# KiCad board motorgo_core_panel2.kicad_pcb (continued)
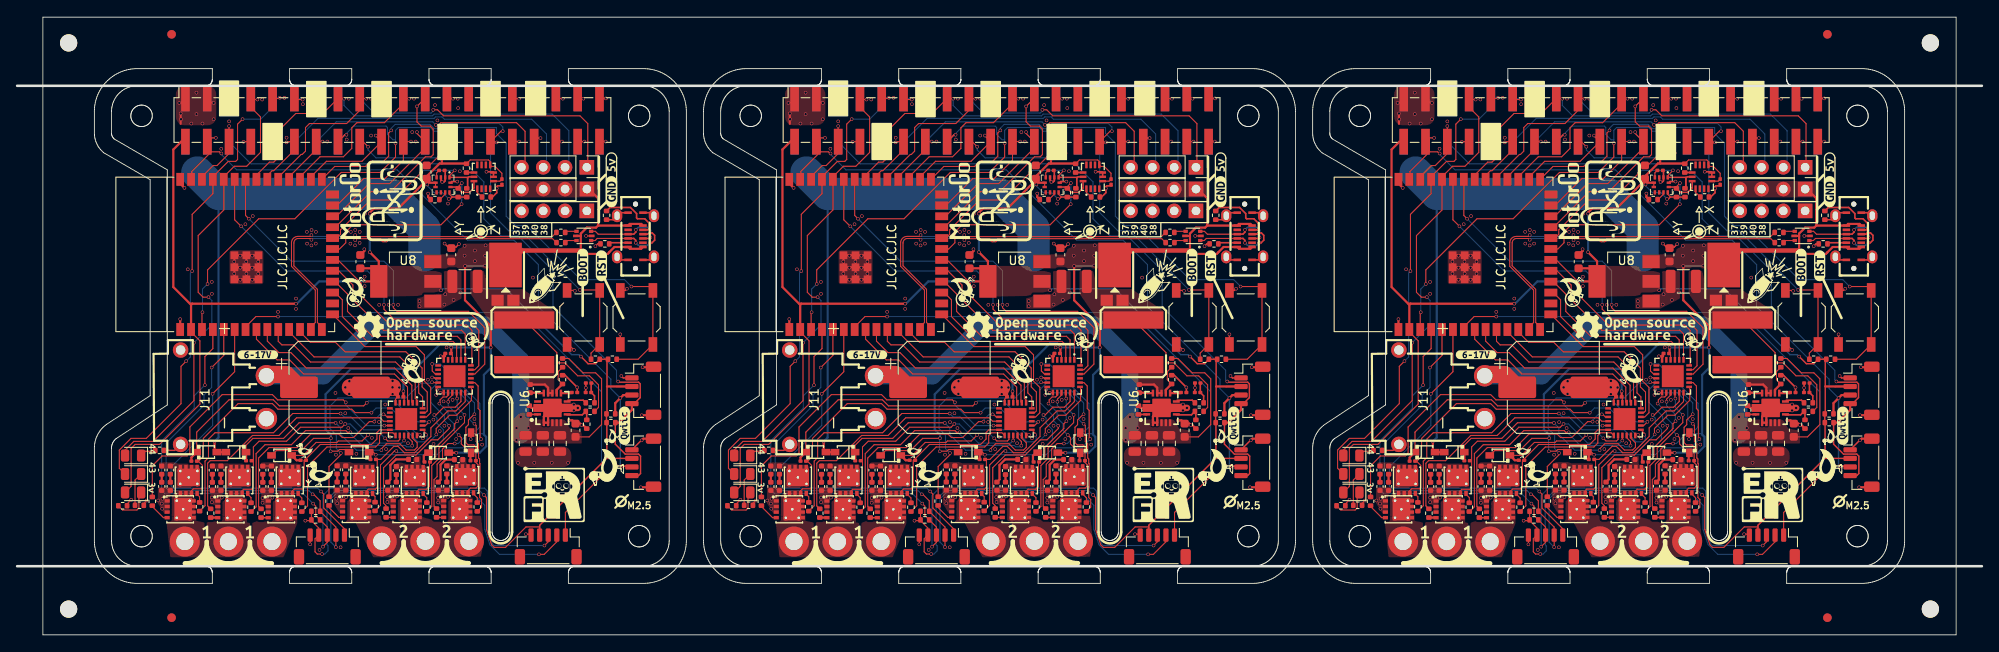
[diagram p0: board, top side]
## Routing (per net, layer and track width the routed paths; a pad name or vN(x,y) marks a point on that pad's centre or on a via; arc(x,y) is an arc through that point) (continued)
Board_1-/i2c_1.scl: length 23.6
  Top w0.12: v1(122,54.14) 121.39,53.53 U10#2.1 ; 108.25,46.25 108.69,46.69 108.69,47.21 112.18,50.7 114.9,50.7 v1(118.03,53.83)
  Top w0.16: U10#2.1 123.5,53.32 123.5,52.15 123.5,53.24 123.65,53.39 U11#3.13
  Bottom w0.12: v1(122,54.14) 118.34,54.14 v1(118.03,53.83)
Board_1-/i2c_1.sda: length 24.8
  Top w0.12: v1(122.8,50.2) 120.4,47.8 110.14,47.8 109.3,46.96 109.3,45.7 108.58,44.98 U1#2.21 ; v1(122.82,52.66) 122.4,52.24
  Top w0.16: R38#3.2 122.87,51.58 123.73,51.58 124.24,52.09 U11#3.14 ; U10#2.11 122.25,52.2
  Bottom w0.12: v1(122.82,52.66) 122.82,50.68 122.8,50.66 v1(122.8,50.2)
Board_1-boot: length 62.9
  Top w0.12: R8#2.2 137.89,32.84 J2#3.2 J2#3.2 ; J4#3.30 127.39,58.7 v1(127.6,58.7) ; v1(114.6,58.8) 114.3,58.5 114.3,55.79 113.71,55.2 112.2,55.2 111.6,54.6 108.02,54.6 U1#2.27 ; v1(136.6,40.2) 138.85,40.2
  Top w0.18: v1(126.9,57.4) 126.26,57.4
  Bottom w0.12: v1(127.6,58.7) 127.6,59.2 127.2,59.6 120.61,59.6 120.01,59 119.63,59 119.13,59.5 115.05,59.5 114.6,59.05 v1(114.6,58.8) ; J7#3.29 126.18,49.22 128.3,47.1 129.7,47.1 v1(136.6,40.2)
  Bottom w0.18: v1(126.9,57.4) 126.25,57.4
Board_1-GND: length 103.9
  Top w0.12: v1(114.2,62.5) 114.17,62.53 J4#3.19 ; U2#3.2 137.31,46.5 v1(137.31,46.5) ; J4#3.5 96.47,62.53 v1(96.5,62.5) ; v1(84.3,15.75) 83.81,15.26 R3#3.2 ; v1(136,40.1) 135.95,40.15 J2#3.1 ; C33#3.2 120.72,32.62 U4#3.6 ; R2.2 85.76,15.31 v1(86.1,15.65) ; v1(127,62.4) 126.3,62.4 ; C32.2 119.05,54.72 120.33,55.99 120.58,55.99 121.09,56.51 J4#3.26 ; v1(130.29,11.73) 130.79,11.73 J18#3.5 ; J4#3.33 131.97,62.53 v1(132,62.5) ; 135.25,33.85 v1(135.9,33.2) ; v1(106.6,62.5) 106.57,62.53 J4#3.13 ; C3#3.2 115.1,27.47 U3#3.6 ; J4#3.40 139.59,57.49 v1(139.6,57.5) ; v1(101,59.2) 101,57.71 ; J16#3.5 v1(105.15,10.55)
  Top w0.16: v1(141.43,30.17) 141.65,29.95 J13.1 ; v1(122.2,56.15) 121.09,56.15 ; v1(138.4,45.3) 138.68,45.58 R4#2.1 ; J15.1 143.75,22.67 v1(143.79,22.67) ; J3.2 141.88,40.15 v1(142.07,40.35) ; v1(122.5,45.55) 122.15,45.2 121.82,45.2 ; J1#2.3 140.46,48.39 R5#3.1 ; v1(120.82,45.61) 121.23,45.2 121.38,45.2 ; J3.2 v1(141.3,35.02) ; R1#3.2 89.35,21.5 J11.3
  Top w0.18: v1(122.3,52.84) 121.65,52.84 U10#2.12 ; J1#2.B1 144.88,49.21 ; 137.26,28.25 137.26,28.78 v1(137.28,28.8) C1#3.2 ; R49#3.2 126.4,51.04 126.9,51.54 v1(126.9,52.04) 126.9,52.24 127,52.34 127.63,52.34 ; 120.41,53.31 120.41,52.93 v1(120.55,52.79) 120.75,52.79 120.89,52.93 U10#2.2 120.89,54.05 ; R17#3.2 134.87,30.26 v1(136.28,28.85) C18.2 ; v1(125.7,53.98) 126.43,53.98 U11#3.7 U11#3.6 ; J1#2.A1 141.28,43.71 ; J1#2.B12 144.88,43.71 ; J1#2.A12 141.28,49.21
  Top w0.25: U6#3.15 130.96,26.45 R18#2.2 ; U6#3.15 132.88,25.95 132.88,24.72 132.38,24.72 132.38,25.45 132.59,25.65 ; U6#3.15 132.6,25.67 ; U1#2.41 U1#2.41 U1#2.41 U1#2.41 ; U1#2.41 U1#2.41 U1#2.41 ; U1#2.41 U1#2.41 U1#2.41 ; v1(135.3,25) 135.71,25 C17#3.2 136.61,24.62 v1(136.78,24.45) 136.97,24.45 R25#3.2 ; v1(111.46,44.95) 111.46,44.74 C25#3.2 ; U1#2.41 U1#2.41 ; 145.18,31.25 145.12,31.2 v1(143.9,31.2) ; 90,52.6 v1(90.5,52.1) ; C33#3.2 120.84,32.73 120.84,32.49 120.82,32.47 v1(120.36,32.47) ; 134.19,25.65 134.19,25.81 134.53,26.15 v1(135.88,26.15) ; v1(114.75,28.85) 115.38,28.22 C3#3.2 115.08,28.05 v1(114.76,28.05) ; R46#2.2 118.9,51.03 v1(118.9,51.44) ; 145.18,17.27 145.11,17.2 v1(143.7,17.2) ; v1(143.8,25.6) 145.12,25.6 145.18,25.65 ; 145.18,22.87 143.99,22.87 v1(143.79,22.67) ; 134.19,27.25 134.19,27.09 134.47,26.81 135.85,26.81 v1(135.88,26.85) ; U1#2.1 v1(90,36.8)
  Top w0.75: v1(136.35,26.45) U6#3.15
  Top w2: v1(114.75,28.85) C16#2.2 109.84,28.85
  Bottom w0.12: v1(114.2,62.5) 114.18,62.52 113.47,62.52 ; v1(106.6,62.5) 106.58,62.52 105.85,62.52 ; v1(132,62.5) 131.98,62.52 131.25,62.52 ; v1(101,59.2) 101,57.71 ; v1(96.5,62.5) J7#3.6 ; v1(139.6,57.5) 139.58,57.48 138.87,57.48 ; v1(127,62.4) 126.9,62.5 J7#3.30
  Bottom w0.25: J7#3.25 121.1,57.25 v1(122.2,56.15)
  vias: v1(87.43,15.66) v1(87.85,15.31) v1(87.94,15.87) v1(87.9,14.7) v1(90.89,42.6) v1(93.68,41.14) v1(93.69,39.75) v1(93.7,16) v1(93.7,15.45) v1(94.29,16.04) v1(94.79,56.66) v1(94.85,16) v1(95.7,59.85) v1(96.3,43.5) v1(96.3,42.1) v1(97,44.2) v1(97,42.8) v1(97,41.4) v1(97.6,47.86) v1(97.7,43.5) v1(97.72,42.1) v1(98.4,44.2) v1(98.4,42.8) v1(98.4,41.4) v1(98.46,48.81) v1(99.1,43.5) v1(99.1,42.1) v1(99.55,62.4) v1(99.6,15.95) v1(99.6,15.4) v1(100.16,16.06) v1(100.75,16) v1(101.4,37.65) v1(102.15,62.6) v1(102.4,57.95) v1(103.5,39.2) v1(103.5,38) v1(104.3,61.85) v1(104.77,46.98) v1(104.78,45.61) v1(105.31,47.19) v1(105.3,45.39) v1(105.82,46.98) v1(105.8,45.61) v1(106.24,9.9) v1(107.15,57.5) v1(108.1,28.2) v1(108.15,21) v1(108.2,15.88) v1(108.3,15.33) v1(108.73,24.79) v1(108.72,16.08) v1(108.7,10.2) v1(109.25,25.83) v1(109.25,28.85) v1(109.35,16.05) v1(109.41,57.74) v1(109.6,24.1) v1(109.65,62.5) v1(109.72,29.57) v1(109.71,28.08) v1(109.84,45.6) v1(109.89,46.97) v1(110.41,47.2) v1(110.37,45.4) v1(110.54,21.1) v1(110.93,46.97) v1(110.92,45.69) v1(111.55,49.1) v1(111.5,41.75) v1(111.5,40.65) v1(112.25,58.2) v1(112.25,62.5) v1(112.34,22.97) v1(112.65,49.1) v1(113.2,38.47) v1(113.18,24.81) v1(113.91,26.85) v1(114,21.65) v1(114.12,16.05) v1(114.15,15.48) v1(114.3,38.47) v1(114.45,23.08) v1(114.7,16.08) v1(114.76,29.6) v1(115.28,16.15) v1(115.4,38.47) v1(115.54,28.83) v1(116.55,22.33) v1(117.05,58.6) v1(117.25,62.5) v1(117.45,57.5) v1(117.9,38.9) v1(117.9,38.3) v1(118.29,22.91) v1(118.88,29.75) v1(119.52,25.09) v1(119.53,22.25) v1(119.7,61.75) v1(119.84,27.97) v1(119.98,59.96) v1(120.07,15.97) v1(120.07,15.42) v1(120.25,23.75) v1(120.61,16.09) v1(120.7,27.21) v1(120.8,38.5) v1(120.8,24.38) v1(120.9,39.7) v1(121.05,33.5) v1(121.22,50.27) v1(121.22,16.1) v1(121.75,27.39) v1(121.87,39.04) v1(122.17,22.82) v1(122.35,62.5) v1(122.4,61.4) v1(122.6,54.04) v1(122.7,39.9) v1(122.69,25.29) v1(124.3,25.16) v1(125.19,22.17) v1(129.37,20.06) v1(131.12,41.64) v1(131.28,20.06) v1(133.31,20.06) v1(135.21,20.06) v1(140.88,19.66)
Board_1-gpio21: length 24.9
  Top w0.12: U1#2.23 108.09,47.52 112.23,51.66 114.51,51.66 118.58,55.72 119.24,55.72 119.5,55.98 119.5,58.95 119.15,59.3 118.1,59.3 117.6,59.8 v1(117.6,61.6) 118.53,62.53
  Bottom w0.12: v1(117.6,61.6) 118.5,62.5
Board_1-gpio35: length 11.9
  Top w0.12: v1(112.8,58.2) 112.8,58.16 J4#3.20 111.19,55.2 107.05,55.2 105.24,53.39
  Bottom w0.12: v1(112.8,58.2) 112.8,58.14 J7#3.19
Board_1-gpio36: length 18.4
  Top w0.12: v1(116.7,62.5) 116.67,62.53 J4#3.21 ; 103.97,53.39 106.3,55.73 109.03,55.73 110,56.7 110,59.1 110.6,59.7 113.8,59.7 116.01,61.91
  Bottom w0.12: v1(116.7,62.5) J7#3.22
Board_1-gpio37: length 35.7
  Top w0.12: v1(106.6,57.5) 106.59,57.49 J4#3.14 ; 102.7,53.39 105.85,56.55 ; v1(119.8,59.45) 120.13,59.45 120.38,59.7 129.2,59.7 130.2,58.7 130.2,54.92
  Bottom w0.12: v1(119.8,59.45) 119.44,59.8 108.2,59.8 J7#3.13 ; v1(106.6,57.5) 105.9,57.5
Board_1-gpio38: length 49.3
  Top w0.12: 137.51,54.61 137.51,59.59 136.6,60.5 120.7,60.5 120,61.2 v1(119.5,61.2) ; v1(111.7,62.5) 111.67,62.53 J4#3.17 ; U1#2.31 101.43,53.33 104.1,56 104.22,56 104.61,56.38 104.61,59.13 105.07,59.6 109.4,59.6 110.93,61.13
  Bottom w0.12: v1(119.5,61.2) 119.5,61.08 119.24,60.82 112.62,60.82 J7#3.18 v1(111.7,62.5)
Board_1-gpio39: length 41.5
  Top w0.12: v1(102.4,57.4) 102.49,57.49 J4#3.12 ; 100.16,53.54 100.72,54.1 100.9,54.1 103.31,56.51
  Bottom w0.12: v1(102.4,57.4) 103.26,57.4 ; 132.7,54.48 132.7,58.38 130.98,60.1 120.8,60.1 120.53,60.37 119.77,60.37 119.6,60.2 106.06,60.2 J7#3.11
Board_1-gpio40: length 48.6
  Top w0.12: 98.89,53.59 100.4,55.1 100.91,55.1 101.6,55.79 101.6,58.9 103.47,60.77 106.63,60.77 J4#3.15 109.07,62.53 v1(109.1,62.5)
  Bottom w0.12: J7#3.16 v1(109.1,62.5) 109.1,61.7 110.3,60.5 119.4,60.5 119.6,60.7 133.36,60.7 135.3,58.76 135.3,54.94
Board_1-gpio43: length 55.8
  Top w0.12: v1(97.27,60.11) 96.69,59.53 96.69,55.41 96.47,55.19 95.61,55.19 93.81,53.39 U1#2.37 93.81,51.43 91.4,49.02 v1(91.4,42.4) ; J4#3.9 101.53,62.53 v1(101.6,62.6) ; D2#2.2 82.91,19.42 82.91,21.54 84.27,22.9 86.05,22.9 90.1,26.95 90.1,31.3 v1(90.7,31.9)
  Bottom w0.12: v1(91.4,42.4) 91.19,42.19 91.19,32.39 v1(90.7,31.9) ; J7#3.10 100.78,61.51 99.38,60.11 v1(97.27,60.11) ; v1(101.6,62.6) 100.88,62.6
Board_1-gpio44: length 53.8
  Top w0.12: D1#3.2 83.58,21.53 84.6,22.55 86.85,22.55 91.6,27.3 v1(91.6,34.05) ; v1(93.3,39.36) 92.67,39.36 92.1,39.93 92.1,46.54 95.08,49.52 U1#2.36 95.08,53.39 96.31,54.62 97.75,54.62 99.36,56.23 99.36,60.37 98.23,61.5 J4#3.7 ; 98.36,62.4 v1(99,62.4)
  Bottom w0.12: v1(93.3,39.36) 93.69,38.97 93.69,36.14 v1(91.6,34.05) ; v1(99,62.4) 98.34,62.4
Board_1-gpio47: length 16.7
  Top w0.12: 108.21,48.79 112.02,52.6 114.4,52.6 118.55,56.75 ; v1(117.6,58.6) 117.6,58.44 J4#3.24
  Bottom w0.12: v1(117.6,58.6) 117.6,58.42 J7#3.23
Board_1-gpio48: length 13.8
  Top w0.12: v1(116.9,57.5) 116.03,57.5 ; J4#3.22 116.01,55.31 113.9,53.2 111.4,53.2 108.26,50.06
  Bottom w0.12: v1(116.9,57.5) 116.06,57.5
Board_1-m1_uh: length 20.9
  Top w0.12: U3#3.22 118.71,25.4 119.2,25.89 119.2,28.84 118.47,29.58 118.47,32.63 117.5,33.6 111.52,33.6 U1#2.15
Board_1-m1_ul: length 21.8
  Top w0.12: U1#2.10 101.43,34.22 101.85,33.8 103.2,33.8 105.2,31.8 115.1,31.8 117.4,29.5 117.4,27.57 117.6,27.37 U3#3.1
Board_1-m1_vh: length 22.1
  Top w0.12: U1#2.12 103.97,35.3 105.17,34.1 108.1,34.1 109.2,33 116.3,33 118.2,31.1 118.2,28.9 118.8,28.3 118.8,26.11 118.59,25.9 U3#3.23
Board_1-m1_vl: length 22.4
  Top w0.12: U3#3.2 117,27.16 117,29.1 115,31.1 104.7,31.1 102.9,32.9 101.5,32.9 100.16,34.24 U1#2.9
Board_1-m1_wh: length 21.5
  Top w0.12: U3#3.24 118.26,27.74 117.8,28.2 117.8,30.2 115.6,32.4 105.6,32.4 102.7,35.3 U1#2.11
Board_1-m1_wl: length 22.9
  Top w0.12: U1#2.8 98.89,34.46 101.3,32.05 102.75,32.05 104.4,30.4 114.98,30.4 116.5,28.88 116.5,27.16 U3#3.3
Board_1-m2_uh: length 46.4
  Top w0.12: U1#2.34 97.62,48.89 v1(98,48.51) ; 123.88,30.4 124.35,30.4 125.5,31.55 125.5,35.8 123.59,37.71 115.27,37.71 114.85,38.13 v1(114.85,38.47)
  Bottom w0.12: v1(114.85,38.47) 114.85,42.45 113.75,43.55 102.96,43.55 v1(98,48.51)
Board_1-m2_ul: length 22.5
  Top w0.12: U4#3.1 123.22,35.08 122.8,35.5 113.7,35.5 110.13,39.07 110.13,40.78 108.47,42.44 U1#2.19
Board_1-m2_vh: length 45.2
  Top w0.12: 123.88,30.9 124.34,30.9 124.8,31.36 124.8,35.5 123.5,36.8 114.91,36.8 113.75,37.97 v1(113.75,38.47) ; U1#2.35 96.35,48.38 v1(97.11,47.62)
  Bottom w0.12: v1(113.75,38.47) 113.75,40.51 111.84,42.41 102.32,42.41 v1(97.11,47.62)
Board_1-m2_vl: length 21.3
  Top w0.12: U4#3.2 122.72,34.38 122.3,34.8 112.4,34.8 109.5,37.7 109.5,39.73 108.06,41.17 107.76,41.17
Board_1-m2_wh: length 24.7
  Top w0.12: 123.88,31.4 124,31.52 124,35.5 123.4,36.1 114.5,36.1 111.09,39.51 111.09,41 108.38,43.71 U1#2.20
Board_1-m2_wl: length 19.9
  Top w0.12: U4#3.3 122.22,33.77 121.8,34.2 111.8,34.2 108.9,37.1 108.9,39.05 108.05,39.9 U1#2.17
Board_1-Net-(C1-Pad1): length 2.5
  Top w0.18: C1#3.1 137.91,29.33 137.91,28.29 137.93,28.27 ; C20#2.1 138.29,27.86 R19#3.2
Board_1-Net-(C5-Pad1): length 0.9
  Top w0.25: C5.1 87.85,17.78
Board_1-Net-(C7-Pad1): length 0.9
  Top w0.25: C7#3.1 88.85,17.78
Board_1-Net-(C10-Pad1): length 0.9
  Top w0.25: C10#3.1 C11#3.2
Board_1-Net-(C12-Pad1): length 0.9
  Top w0.25: C12#3.1 C13#2.2
Board_1-Net-(C14-Pad1): length 0.9
  Top w0.25: C14#2.1 C21#3.2
Board_1-Net-(C22-Pad1): length 3.4
  Top w0.25: U6#3.11 U6#3.12 132.88,28.81 132.51,29.18 C22#3.1
Board_1-Net-(C23-Pad1): length 15.7
  Top w0.12: R24#3.1 138.76,26.52 138.76,29.14 137.71,30.19 136.34,30.19 134.83,31.7 134.1,31.7 133.9,31.9 133.9,32.9 L1.2
Board_1-Net-(C27-Pad1): length 0.9
  Top w0.25: C27#3.1 C28#3.2
Board_1-Net-(C35-Pad1): length 0.9
  Top w0.25: C35#2.1 C36.2
Board_1-Net-(C37-Pad1): length 0.9
  Top w0.25: C37.1 C38.2
Board_1-Net-(C40-Pad1): length 4.5
  Top w0.25: C41.2 114.5,18.11 114.5,19.79 115.16,20.45 C40#2.1
Board_1-Net-(C42-Pad1): length 0.9
  Top w0.25: C42#2.1 C43.2
Board_1-Net-(C44-Pad1): length 4
  Top w0.25: C45.2 120.35,18.08 120.35,19.84 120.94,20.42 C44#3.1
Board_1-Net-(C47-Pad1): length 0.9
  Top w0.25: C47#2.1 C48#3.2
Board_1-Net-(D1-K): length 1.9
  Top w0.12: R1#3.1 86.99,21.4 85.95,21.4 D1#3.1
Board_1-Net-(D2-K): length 3.9
  Top w0.12: D2#2.1 84.74,18.04 R2.1
Board_1-Net-(D3-K): length 4.6
  Top w0.12: D3#2.1 85.19,16.34 85.19,14.78 84.96,14.55 83.29,14.55 R3#3.1
Board_1-Net-(D5-K): length 34.8
  Top w0.12: v1(111.75,27.05) 111.39,26.69 101.56,26.69 100.85,27.4 95.7,27.4 91.93,23.63 91.93,21.3 ; v1(119.03,24.83) 118.59,24.4 U3#3.20
  Top w0.25: 91.93,21.3 91.31,20.68 C4.2
  Bottom w0.12: v1(119.03,24.83) 117.37,24.83 114.94,27.26 111.96,27.26 v1(111.75,27.05)
Board_1-Net-(D6-K): length 27.7
  Top w0.12: v1(108.12,24.7) 108.1,24.72 103.87,24.72 102.05,22.9 98.47,22.9 97.67,22.1 97.67,20.36 ; U3#3.17 117.1,22.91 117.62,22.38 117.62,21.86 117.3,21.54 116.34,21.54 115.6,22.28 114.05,22.28 113.45,21.68 v1(113.45,21.53)
  Top w0.25: 97.67,20.36 97.68,20.36 97.68,21.05
  Bottom w0.12: v1(108.12,24.7) 108.7,24.12 108.7,23.37 110.54,21.53 v1(113.45,21.53)
Board_1-Net-(D7-K): length 15.8
  Top w0.12: D7.1 104.34,20.92 105.85,22.43 108.26,22.43 108.43,22.6 111.2,22.6 v1(111.9,23.3) ; v1(113.88,22.91) 114.19,22.6 115.42,22.6 115.6,22.78 U3#3.14
  Top w0.25: D7.1 103.56,20.35 C26#2.2
  Bottom w0.12: v1(113.88,22.91) 113.34,23.45 112.05,23.45 v1(111.9,23.3)
Board_1-Net-(D8-K): length 22.2
  Top w0.12: 123.88,29.4 124.34,29.4 124.73,29.01 124.73,26.38 124.96,26.15 124.96,22.94 v1(125.08,22.82) ; D8#3.1 112.5,21.3 v1(112.8,21)
  Top w0.25: D8#3.1 112.18,21.14 C34#3.2
  Bottom w0.12: v1(125.08,22.82) 124.06,21.8 120.75,21.8 119.95,21 v1(112.8,21)
Board_1-Net-(D9-K): length 12.1
  Top w0.12: 118.95,21.22 119.18,21.45 v1(119.18,21.83) ; v1(119.63,25.63) 119.81,25.63 120.72,26.54 122.07,26.54 122.72,27.19 U4#3.17
  Top w0.25: 118.88,21.22 118.75,21.22 118.4,20.88 118.4,20.23 C39#2.2
  Bottom w0.12: v1(119.18,21.83) 119.73,21.83 120.67,22.77 120.67,23.92 119.93,24.66 119.93,25.26 119.69,25.5 119.63,25.5 v1(119.63,25.63)
Board_1-Net-(D10-K): length 10.1
  Top w0.12: U4#3.14 121.22,27.91 121.04,27.73 120.64,27.73 120.29,27.38 120.29,27.04 v1(120.21,26.96) ; v1(122.46,23.29) 122.77,22.98 122.77,22.26 123.8,21.23
  Top w0.25: 123.8,21.23 123.83,21.2 C46.2
  Bottom w0.12: v1(122.46,23.29) 121.9,23.85 121.9,24.61 121.22,25.29 121.22,25.95 v1(120.21,26.96)
Board_1-Net-(J1-CC1): length 2.1
  Top w0.18: 140.14,45.71 J1#2.A5
Board_1-Net-(J1-CC2): length 7.6
  Top w0.18: R5#3.2 140.11,49.82 142.48,49.82 143.2,49.1 143.2,48.6 143.3,48.5 144.15,48.5 144.7,47.95 144.7,47.4 144.51,47.21 J1#2.B5
Board_1-Net-(J1-DN1): length 9.5
  Top w0.12: U2#3.3 138.39,47.04 138.72,46.7 142.2,46.7
  Top w0.18: J1#2.A7 142.88,46.71 143.1,46.93 v1(143.1,47.2) ; 144.84,46.38 144.66,46.21 J1#2.B7
  Bottom w0.18: v1(143.1,47.2) 143.4,47.5 144.5,47.5 144.84,47.16 144.84,46.35 v1(144.81,46.32)
Board_1-Net-(J1-DP1): length 10.4
  Top w0.12: U2#3.1 138.36,45.96 138.61,46.21 J1#2.A6
  Top w0.18: J1#2.A6 142.88,46.21 143.1,45.98 v1(143.1,45.7) ; J1#2.B6 144.51,46.71 144.64,46.84 145.03,46.84 145.3,46.57 145.3,46 145,45.7 144.75,45.7
  Bottom w0.18: v1(144.78,45.7) 144.75,45.7 144.45,45.4 143.4,45.4 v1(143.1,45.7)
Board_1-Net-(Q1-G): length 1.1
  Top w0.12: 91.97,16.39 92.26,16.1 R15#3.2
Board_1-Net-(Q2-G): length 2.4
  Top w0.12: 86.75,15.06 86.75,14.95 88.05,13.66 Q2#2.4
Board_1-Net-(Q3-G): length 1.2
  Top w0.12: 97.88,16.38 98.26,16 98.26,15.43 98.3,15.39
Board_1-Net-(Q4-G): length 0.8
  Top w0.12: 94.37,13.67 Q4#2.4
  Top w0.25: R12.1 94.37,13.67
Board_1-Net-(Q5-G): length 1.2
  Top w0.12: R11.2 104.18,15.95 103.75,16.38
Board_1-Net-(Q6-G): length 0.8
  Top w0.16: Q6#2.4 99.44,13.66
Board_1-Net-(Q7-G): length 1.1
  Top w0.12: 112.43,16.41 112.71,16.12 R27.2
Board_1-Net-(Q8-G): length 2.3
  Top w0.12: Q8.4 108.5,13.69 107.35,14.83 R26#3.1
Board_1-Net-(Q9-G): length 1.2
  Top w0.12: R23#3.2 118.75,15.98 118.32,16.41
Board_1-Net-(Q10-G): length 0.8
  Top w0.12: R22#3.1 114.81,13.7 Q10.4
Board_1-Net-(Q11-G): length 1.2
  Top w0.12: 124.21,16.41 124.63,15.98 R21#3.2
Board_1-Net-(Q12-G): length 0.8
  Top w0.16: Q12#3.4 119.9,13.68
Board_1-Net-(R6-Pad2): length 1.4
  Top w0.12: U2#3.6 135.13,45.96 R6#2.2
Board_1-Net-(R7-Pad2): length 1.2
  Top w0.12: U2#3.4 135.01,47.04
Board_1-Net-(U3-HO1): length 38.4
  Top w0.12: v1(118.65,23.33) 118.65,23.51 U3#3.19 ; R15#3.1 92.9,15.06 92.9,20.25 93.3,20.65 93.3,22.8 94.06,23.56 100.88,23.56 103.12,25.8 v1(108.7,25.8)
  Bottom w0.12: v1(118.65,23.33) 118.78,23.19 118.78,22.75 118.53,22.5 117.7,22.5 116.3,23.9 111.4,23.9 109.9,25.4 109.1,25.4 v1(108.7,25.8)
Board_1-Net-(U3-HO2): length 28.6
  Top w0.12: v1(117.05,22.05) 117.05,22.53 116.6,22.98 U3#3.16 ; v1(109.85,23.61) 109.51,23.61 109.32,23.8 104.6,23.8 102.96,22.16 99.89,22.16 98.85,21.12 98.85,14.92 98.3,14.37
  Bottom w0.12: v1(109.85,23.61) 109.85,23.42 111.19,22.08 116.23,22.08 116.38,21.92 116.92,21.92 v1(117.05,22.05)
Board_1-Net-(U3-HO3): length 18
  Top w0.12: U3#3.13 114.79,23.55 113.56,23.55 113.24,23.23 113.24,22.36 112.78,21.9 107.12,21.9 104.85,19.63 104.85,15.04 R11.1
Board_1-Net-(U3-LO1): length 38.2
  Top w0.12: R14#3.2 86.75,19.7 87.9,20.85 90.8,20.85 91.13,21.18 91.13,24.23 94.9,28 100.75,28 101.36,27.39 109.01,27.39 v1(109.3,27.1) ; U3#3.11 114.43,24.39 v1(113.8,24.39)
  Bottom w0.12: v1(113.8,24.39) 111.71,24.39 109.3,26.8 v1(109.3,27.1)
Board_1-Net-(U3-LO2): length 29.1
  Top w0.12: U3#3.10 113.7,24.9 113.3,25.3 103.57,25.3 101.51,23.24 98.43,23.24 95.49,20.3 93.5,20.3 93.2,20 93.2,15.04 R12.2
Board_1-Net-(U3-LO3): length 24
  Top w0.12: R10.2 99.14,14.98 99.14,20.61 100.36,21.83 103.64,21.83 105.21,23.4 108.5,23.4 108.9,23 110.2,23 112.05,24.85 v1(112.63,24.85) ; U3#3.9 114.11,25.4 113.81,25.7 v1(113.7,25.7)
  Bottom w0.12: v1(112.63,24.85) 112.63,25.03 113.3,25.7 v1(113.7,25.7)
Board_1-Net-(U3-VS1): length 37.6
  Top w0.12: 91.33,16.39 91.33,16.81 91.55,17.03 92.47,17.03 92.6,17.15 92.6,19.75 92.11,20.25 C4.1 92.15,20.25 92.7,20.8 92.7,22.9 96.75,26.95 100.75,26.95 101.4,26.3 110,26.3 110.4,25.9 v1(112.3,25.9) ; v1(117.93,23.33) 117.69,23.33 U3#3.18
  Bottom w0.12: v1(112.3,25.9) 112.84,26.44 114.56,26.44 117.67,23.33 v1(117.93,23.33)
Board_1-Net-(U3-VS2): length 26.9
  Top w0.12: v1(109.24,24.58) 108.86,24.2 104.03,24.2 102.4,22.57 99.2,22.57 98.53,21.9 98.53,17.17 98.32,16.97 97.4,16.97 97.22,16.8 97.22,16.38 ; v1(116.1,22.65) U3#3.15
  Bottom w0.12: v1(116.1,22.65) 115.8,22.35 112.05,22.35 109.82,24.58 v1(109.24,24.58)
Board_1-Net-(U3-VS3): length 16.9
  Top w0.12: 103.1,16.38 103.1,16.8 103.31,17 104.22,17 104.45,17.23 104.45,20.31 106.33,22.19 112.29,22.19 112.94,22.83 112.94,23.58 113.25,23.9 U3#3.12
Board_1-Net-(U4-HO1): length 21.5
  Top w0.12: v1(119.86,23.36) 119.84,23.38 119.84,24.05 121.4,25.6 122.21,25.6 123.95,27.34 123.95,28.9 ; v1(115.2,21.42) 114.97,21.42 113.35,19.8 113.35,15.08 R27.1
  Bottom w0.12: v1(115.2,21.42) 115.38,21.25 117.8,21.25 119.86,23.31 v1(119.86,23.36)
Board_1-Net-(U4-HO2): length 16
  Top w0.12: R23#3.1 119.32,14.97 119.32,19.72 120.16,20.56 120.16,21.76 123.14,24.74 v1(123.14,25.64) ; v1(122.28,27.54) 122.22,27.6 U4#3.16
  Bottom w0.12: v1(123.14,25.64) 122.28,26.5 v1(122.28,27.54)
Board_1-Net-(U4-HO3): length 17.8
  Top w0.12: R21#3.1 125.13,14.9 125.13,15.77 124.9,16 124.9,17.18 124.94,17.23 124.94,19.95 124.9,19.99 124.9,20.5 124.78,20.62 124.78,22.26 124.5,22.54 124.5,24.41 v1(124.3,24.61) ; U4#3.13 120.69,28.21 v1(120.34,28.21)
  Bottom w0.12: v1(124.3,24.61) 124.23,24.61 123.72,25.12 123.72,27.02 122.53,28.21 v1(120.34,28.21)
Board_1-Net-(U4-LO1): length 25.4
  Top w0.12: v1(108.73,21.19) 108.73,21 107.35,19.62 R26#3.2 ; U4#3.11 119.4,29.4 v1(119.36,29.45)
  Bottom w0.12: v1(108.73,21.19) 108.2,21.72 108.2,23.29 107.46,24.03 107.46,26.66 108.4,27.6 116.3,27.6 118.04,29.34 119.25,29.34 v1(119.36,29.45)
Board_1-Net-(U4-LO2): length 22.7
  Top w0.12: R22#3.2 113.97,14.74 113.97,15.08 113.71,15.34 113.71,19.49 115.18,20.95 117.47,20.95 119.25,22.73 120.03,22.73 121.35,24.05 v1(121.35,24.38) ; v1(119.37,30) 119.64,30 119.73,29.9 U4#3.10
  Bottom w0.12: v1(121.35,24.38) 121.35,24.4 120.79,24.96 120.79,25.5 119.2,27.09 119.2,28.56 119.94,29.3 119.94,29.64 119.58,30 v1(119.37,30)
Board_1-Net-(U4-LO3): length 24.7
  Top w0.12: v1(119.38,31.57) 119.38,30.75 119.73,30.4 U4#3.9 ; R20#3.2 119.59,15.01 119.59,18.08 119.95,18.44 119.95,19.9 120.58,20.53 120.58,21.66 121.22,22.3 v1(122,22.3)
  Bottom w0.12: v1(119.38,31.57) 120.33,31.57 124.92,26.98 124.92,24.22 124.46,23.76 123.86,23.76 122.4,22.3 v1(122,22.3)
Board_1-Net-(U4-VS1): length 20.5
  Top w0.12: U4#3.18 123.22,27.19 122.14,26.1 121.2,26.1 119.22,24.12 119.22,23.12 117.32,21.22 116.14,21.22 115.39,21.97 114.9,21.97 113.38,20.45 C34#3.1 112.97,20.3 112.97,17.2 112.76,16.98 111.93,16.98 111.78,16.83 111.78,16.41
Board_1-Net-(U4-VS2): length 14.9
  Top w0.12: 117.68,16.41 117.68,16.83 117.82,16.98 118.74,16.98 119.05,17.29 119.05,20.08 C39#2.1 119.79,20.82 119.79,21.84 122,24.05 122,24.6 v1(122.3,24.9) ; v1(121.25,27.17) 121.25,27.47 121.72,27.95 U4#3.15
  Bottom w0.12: v1(121.25,27.17) 121.25,26.71 122.28,25.68 122.28,24.92 v1(122.3,24.9)
Board_1-Net-(U4-VS3): length 18.4
  Top w0.12: v1(124.3,25.71) 124.27,25.71 123.6,25.04 123.6,24.5 123.3,24.2 123.3,22.4 123.56,22.14 124.22,22.14 124.47,21.89 124.47,20.09 124.71,19.85 124.71,17.33 124.48,17.1 123.83,17.1 123.56,16.83 123.56,16.41 ; U4#3.12 119.91,28.74 v1(119.91,28.55)
  Bottom w0.12: v1(119.91,28.55) 120.01,28.65 122.69,28.65 124.3,27.04 v1(124.3,25.71)
Board_1-Net-(U6-BOOT): length 1.6
  Top w0.25: U6#3.13 131.76,28.17 131.72,28.22 C22#3.2
Board_1-Net-(U6-COMP): length 2.2
  Top w0.18: 135.21,27.35 136.97,27.35 R19#3.1
Board_1-Net-(U6-EN): length 3.7
  Top w0.12: R17#3.1 134.06,29.74 134.06,30.69 R16.2
  Top w0.25: R17#3.1 133.88,28.56 U6#3.10
Board_1-Net-(U6-RT/CLK): length 1
  Top w0.18: 131.66,25.64 131.61,25.69 R18#2.1
Board_1-Net-(U6-SS/TR): length 1.2
  Top w0.25: U6#3.9 135.57,28.17
Board_1-Net-(U6-VSENSE): length 3.4
  Top w0.18: R25#3.1 137.38,25.94 R24#3.2 136.87,25.64 135.11,25.64
Board_1-Net-(U10-C1): length 0.9
  Top w0.12: U10#2.4 119.89,53.85 C30#3.2
Board_1-Net-(U10-SD0/SA1): length 1.1
  Top w0.12: 120.26,50.74 120.89,51.37 U10#2.9
Board_1-Net-(U11-CS): length 0.9
  Top w0.18: R50#3.1 124.23,53.89
Board_1-Net-(U11-SDO/SA0): length 1.2
  Top w0.12: U11#3.1 124.63,51.59 R49#3.1
Board_1-p7: length 1.7
  Top w0.12: v1(97.39,57.47) 97.41,57.49 J4#3.8
  Bottom w0.12: v1(97.39,57.47) 98.23,57.47 J7#3.7
Board_1-p12: length 2
  Top w0.12: v1(104.28,62.4) 103.44,62.4 J4#3.11
  Bottom w0.12: J7#3.12 104.18,62.5 v1(104.28,62.4)
Board_1-p26: length 1.4
  Top w0.12: v1(121.8,62.5) 121.77,62.53 J4#3.25
  Bottom w0.12: 121.09,62.52 121.78,62.52 v1(121.8,62.5)
Board_1-p31: length 1.6
  Top w0.12: v1(129.5,57.5) 129.49,57.49 J4#3.32
  Bottom w0.12: v1(129.5,57.5) 128.73,57.5
Board_1-p32: length 1.6
  Top w0.12: v1(129.5,62.5) 129.47,62.53 J4#3.31
  Bottom w0.12: v1(129.5,62.5) 129.48,62.52 128.71,62.52
Board_1-p33: length 1.2
  Top w0.18: v1(132,57.9) 131.67,57.9 J4#3.34
  Bottom w0.18: v1(132,57.9) 131.67,57.9
Board_1-p35: length 1.4
  Top w0.12: J4#3.36 134.49,57.49 v1(134.5,57.5)
  Bottom w0.12: v1(134.5,57.5) 133.81,57.5
Board_1-p36: length 1.6
  Top w0.12: J4#3.35 134.57,62.53 v1(134.6,62.5)
  Bottom w0.12: 133.79,62.52 134.58,62.52 v1(134.6,62.5)
Board_1-p37: length 1.5
  Top w0.12: J4#3.38 137.09,57.49 v1(137.1,57.5)
  Bottom w0.12: 136.33,57.48 137.08,57.48 v1(137.1,57.5)
Board_1-p38: length 1.4
  Top w0.12: v1(137,62.5) 136.97,62.53 J4#3.37
  Bottom w0.12: v1(137,62.5) 136.98,62.52 136.33,62.52
Board_1-p40: length 1.5
  Top w0.18: v1(139.63,62.53) J4#3.39
  Bottom w0.18: v1(139.63,62.53) 138.88,62.53
Board_1-reset: length 102.6
  Top w0.12: v1(93.19,40.89) 93.19,42.54 99.16,48.5 103.37,48.5 108.77,53.9 113.3,53.9 115.1,55.7 v1(115.1,57.3) ; v1(92.6,37.6) 92.54,37.54 U1#2.3 ; R9#3.2 143.38,32.12 J3.1 J3.1 144.65,40.6 v1(142.6,40.6)
  Top w0.16: v1(109.38,58.29) 109.19,58.29 J4#3.16
  Bottom w0.12: v1(115.1,57.3) 115.1,57.7 ; 115.1,57.7 115.1,58.8 115.44,59.14 119.15,59.14 119.59,58.7 120.05,58.7 120.49,59.14 126.86,59.14 126.86,58.44 128,57.3 128,48.8 129.1,47.7 130.4,47.7 136.7,41.4 141.8,41.4 v1(142.6,40.6) ; 115.1,57.7 114.8,57.7 114.16,58.34 114.16,59.14 114,59.3 110.24,59.3 J7#3.15 ; v1(93.19,40.89) 92.6,40.3 v1(92.6,37.6)
Board_1-scl: length 89.9
  Top w0.12: 92.54,53.39 93.85,54.7 94.29,54.7 95.7,56.11 v1(95.7,59.3)
  Top w0.16: R31#2.2 140.72,22.22 141.88,21.07 143.42,21.07 143.66,20.83 143.66,18.8 143.42,18.57 J15.4 ; v1(141.05,29.53) 141.13,29.45 143.43,29.45 143.62,29.26 143.62,27.65 142.92,26.95 J13.4
  Top w0.25: R31#2.2 141.18,24.74 142.65,26.21 J13.4
  Bottom w0.12: v1(95.7,59.3) 95.69,59.29 95.69,57.48 ; v1(141.05,29.53) 140.86,29.72 140.86,30.84 133.46,38.24 133.46,42.44 129.4,46.5 127.4,46.5 125.4,48.5 125.4,52.8 123.3,54.9 98.26,54.9 J7#3.5
Board_1-sda: length 85.5
  Top w0.12: 93.6,57.93 93.6,56.28 91.34,54.02 91.34,53.16 U1#2.39 ; 93.6,57.93 J4#3.4 93.15,56.83 93.68,56.3 94.57,56.3 94.76,56.11 v1(94.8,56.11) ; 93.6,57.93 v1(94.16,57.93)